# Altium PCB Traffic_Lignt_CU.PcbDoc (part 3 of 3)
Units mm, origin at the board's own origin, x right, y up, seen from the top; angles counter-clockwise.
Board outline 143.95 x 111.95 mm, 2 copper layers (Top Layer, Bottom Layer); 302 components, 196 nets, 839 pads, 465 vias.
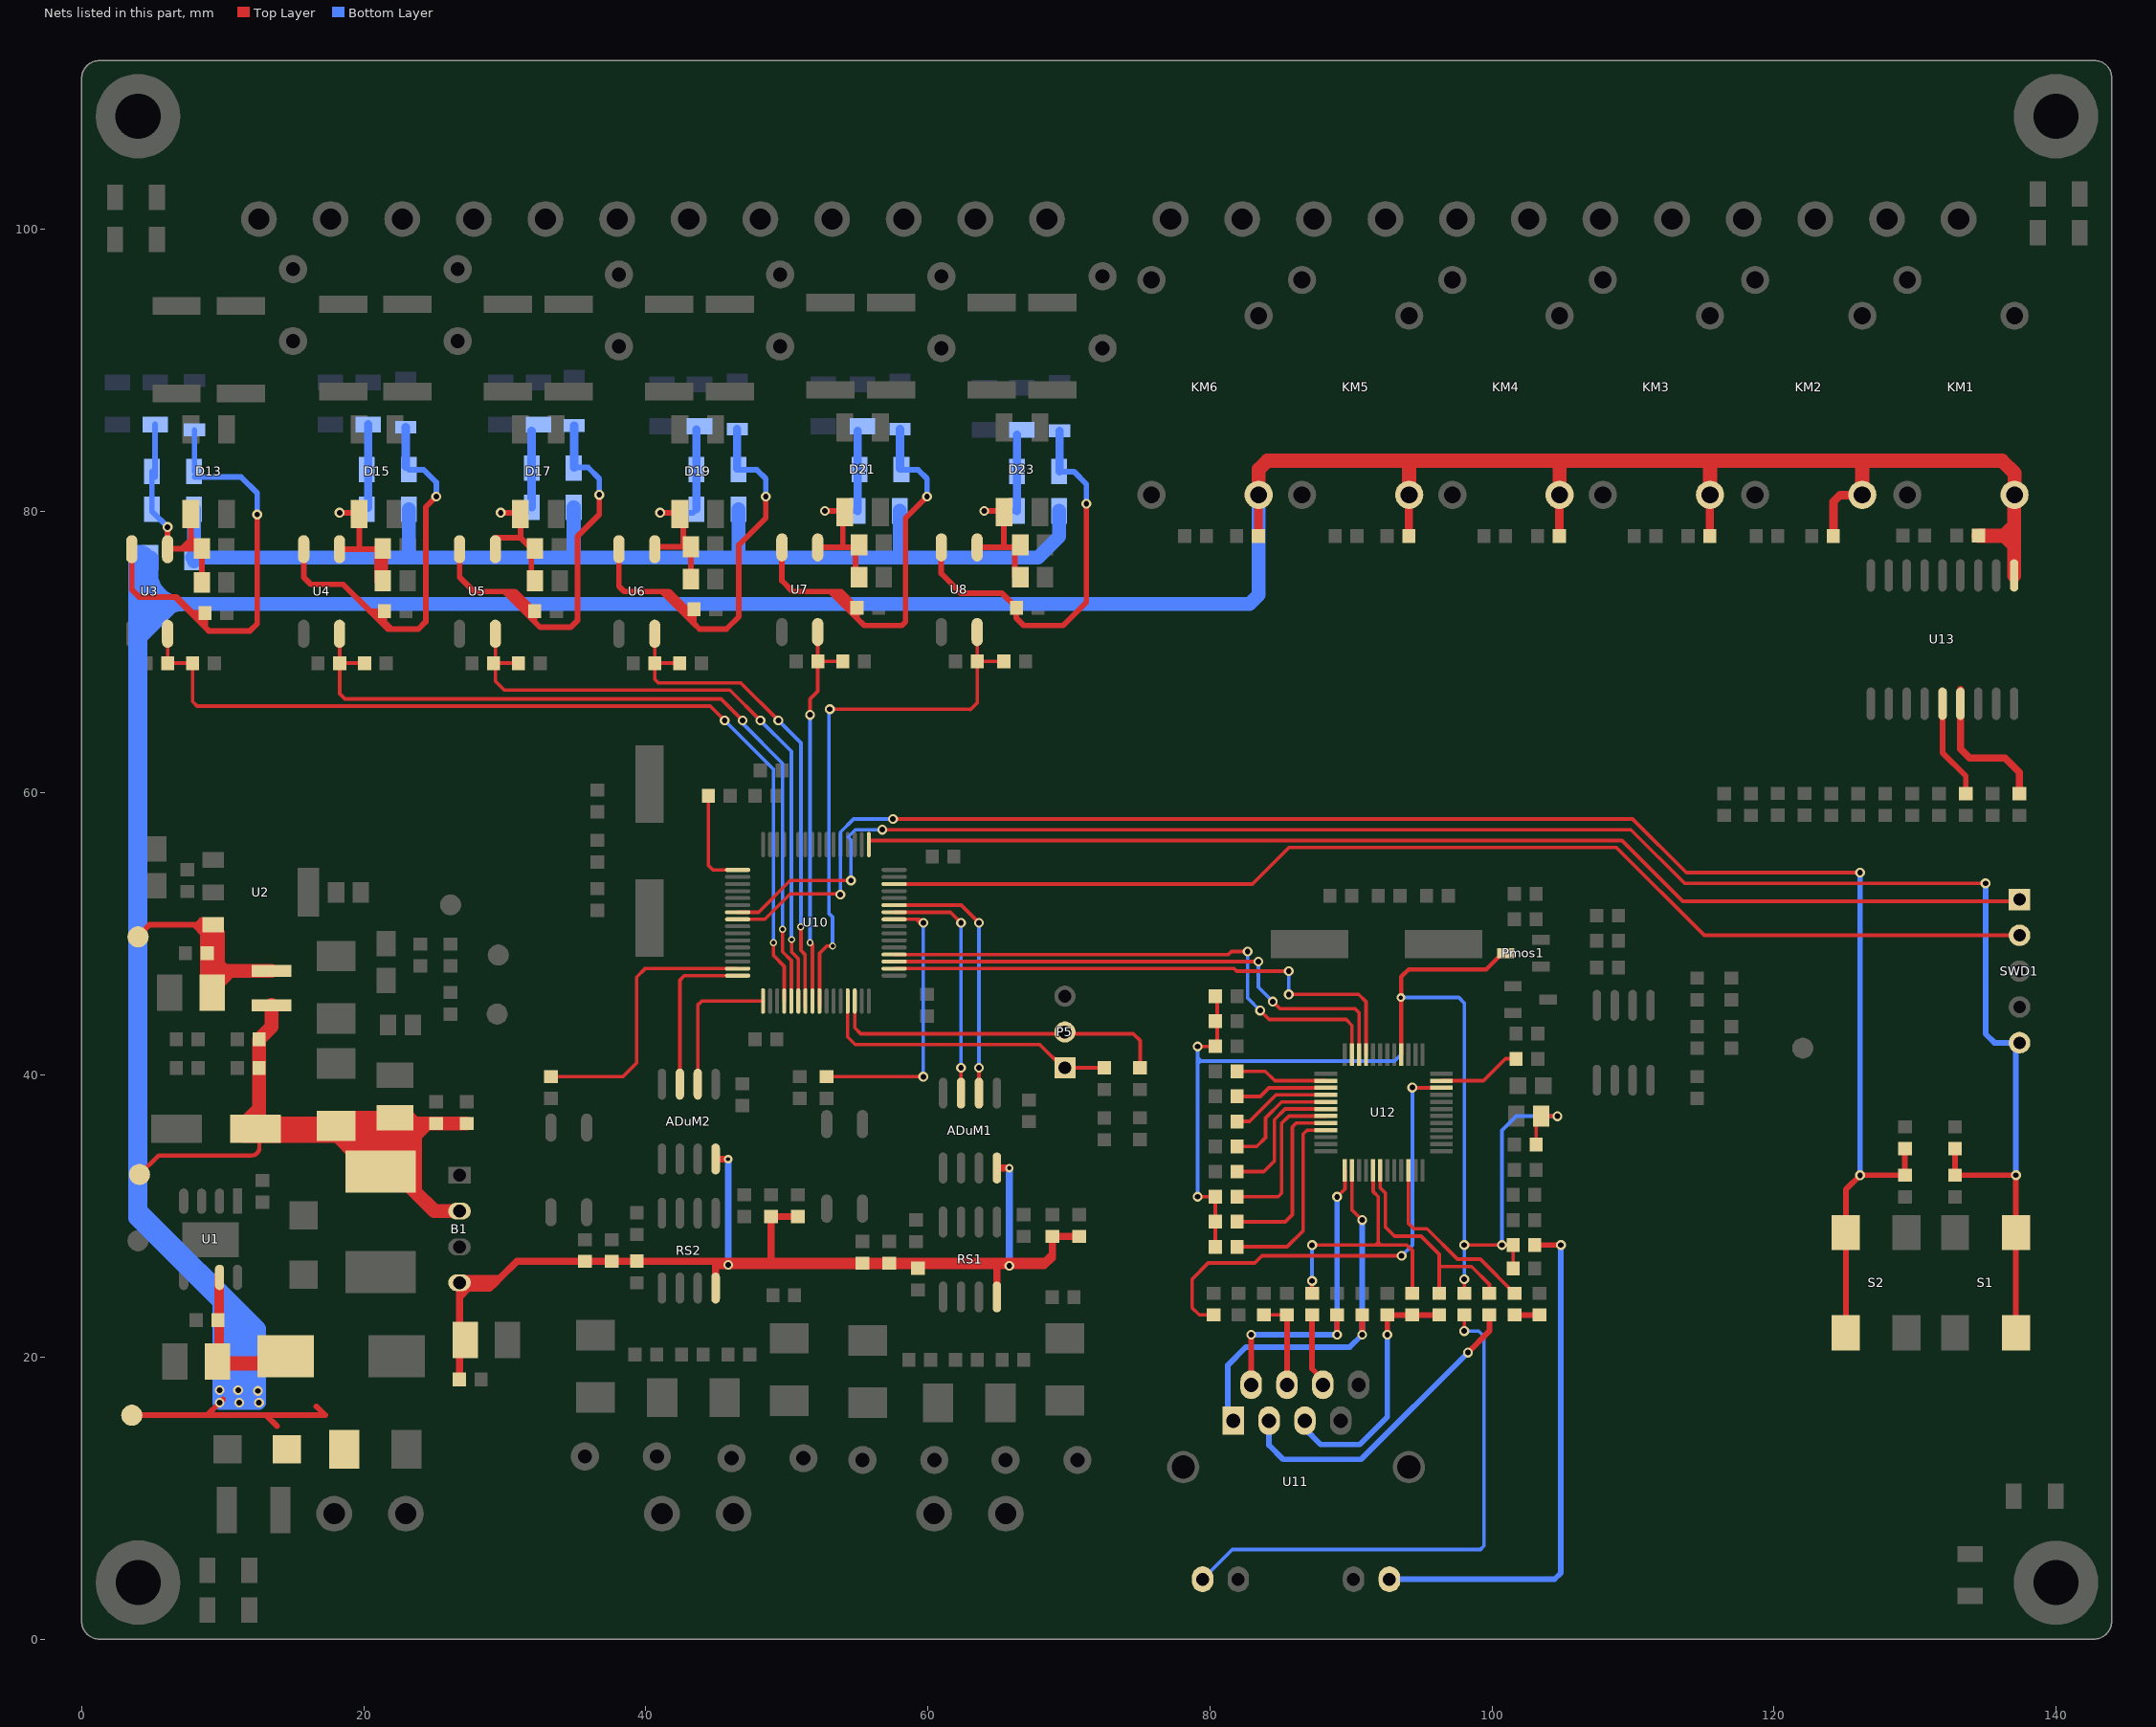
[diagram p3: the nets of this part, all layers, seen from the top]

## Via types
v1: diameter 0.7, hole 0.4, Top Layer to Bottom Layer, 172 vias
v2: diameter 0.6, hole 0.3, Top Layer to Bottom Layer, 164 vias
v3: diameter 0.5, hole 0.3, Top Layer to Bottom Layer, 78 vias
v4: diameter 0.8, hole 0.6, Top Layer to Bottom Layer, 32 vias
v5: diameter 0.8, hole 0.4, Top Layer to Bottom Layer, 10 vias
v6: diameter 0.9, hole 0.5, Top Layer to Bottom Layer, 4 vias
v7: diameter 1.5, hole 0.8, Top Layer to Bottom Layer, 2 vias
v8: diameter 1, hole 0.5, Top Layer to Bottom Layer, 2 vias
v9: diameter 1.2, hole 0.6, Top Layer to Bottom Layer, 1 vias

## Nets (pads, with @x,y where several pads share a name; then routed paths per layer and width w, separated by ;. In a path a pad name is that pad's centre, name@x,y a point inside that pad or via, vN(x,y) a via of type N, cw(c..) or ccw(c..) an arc to the next point about the centre after c; other vN are vias at no path point) (continued)
NetR76_1: R76.1 U13.5 | length 7.1
  Top Layer w0.4: U13.5@131.953,66.338 131.953,62.865 133.604,61.214 R76.1@133.604,59.96
NetR80_1: R80.1 U13.6 | length 10.6
  Top Layer w0.5: U13.6@133.223,67.354 133.223,63.141 133.88,62.484 136.398,62.484 137.414,61.468 R80.1@137.414,59.96
NetR84_2: R84.2 U10.1 | length 7.2
  Top Layer w0.254: R84.2@44.442,59.817 44.442,54.872 44.764,54.55 U10.1@46.52,54.55
NetR100_2: R100.2 U12.45 | length 13.8
  Top Layer w0.254: R100.2@81.923,27.821 85.479,27.821 86.614,28.956 86.614,35.814 86.896,36.096 U12.45@88.229,36.096
NetR101_2: R101.2 U12.44 | length 12.8
  Top Layer w0.254: R101.2@81.923,29.599 85.352,29.599 85.852,30.099 85.852,36.322 86.126,36.596 U12.44@88.229,36.596
NetR102_2: R102.2 U12.43 | length 11.6
  Top Layer w0.254: R102.2@81.923,31.377 84.844,31.377 85.09,31.623 85.09,36.576 85.61,37.096 U12.43@88.229,37.096
NetR103_2: R103.2 U12.42 | length 9.9
  Top Layer w0.254: R103.2@81.923,33.155 83.828,33.155 84.582,33.909 84.582,36.83 85.348,37.596 U12.42@88.229,37.596
NetR104_2: R104.2 U12.41 | length 8.4
  Top Layer w0.254: R104.2@81.923,34.933 83.32,34.933 83.947,35.56 83.947,36.957 85.086,38.096 U12.41@88.229,38.096
NetR105_2: R105.2 U12.40 | length 7.1
  Top Layer w0.254: R105.2@81.923,36.711 82.812,36.711 84.697,38.596 U12.40@88.229,38.596
NetR106_2: R106.2 U12.39 | length 6.6
  Top Layer w0.254: R106.2@81.923,38.489 83.574,38.489 84.181,39.096 U12.39@88.229,39.096
NetR107_2: R107.2 U12.38 | length 6.6
  Top Layer w0.254: R107.2@81.923,40.267 83.939,40.267 84.61,39.596 U12.38@88.229,39.596
NetR112_1: R112.1 U11.9 | length 38.5
  Top Layer w0.254: v1(98.044,21.844) R112.1@98.044,22.987
  Bottom Layer w0.254: U11.9@79.486,4.244 81.592,6.35 99.187,6.35 99.441,6.604 99.441,21.463 99.06,21.844 v1(98.044,21.844)
NetR113_1: R113.1 R114.2 | length 1.8
  Top Layer w0.4: R114.2@101.6,22.987 R113.1@103.378,22.987
NetR114_1: R114.1 U12.10 | length 13.3
  Top Layer w0.254: U12.10@94.079,33.246 94.079,29.492 94.471,29.1 95.4,29.1 97.55,26.95 99.177,26.95 R114.1@101.6,24.527
NetR115_1: R115.1 U11.12 | length 37.4
  Top Layer w0.4: R115.1@103.044,27.948 v1(104.894,27.948)
  Bottom Layer w0.4: U11.12@92.735,4.244 104.444,4.244 104.894,4.694 v1(104.894,27.948)
NetR119_1: R119.1 U12.23 | length 5.9
  Top Layer w0.254: U12.23@96.429,39.596 99.413,39.596 100.973,41.156 R119.1@101.719,41.156
NRST: C39.2 R89.1 S1.2 S1.3 SWD1.5 U10.7 | length 134.6
  Top Layer w0.254: U10.7@46.52,51.55 48,51.55 50.25,53.8 v1(54.55,53.8) ; v1(56.769,57.404) 109.855,57.404 113.665,53.594 v1(135.001,53.594)
  Top Layer w0.4: R89.1@132.842,34.79 C39.2@132.842,32.901 v1(137.16,32.901) S1.2@137.16,21.59
  Bottom Layer w0.254: v1(54.55,53.8) 54.55,56.69 54.35,56.89 54.864,57.404 v1(56.769,57.404)
  Bottom Layer w0.4: v1(135.001,53.594) 135.001,42.926 135.636,42.291 SWD1.5@137.414,42.291 ; v1(137.16,32.901) SWD1.5@137.16,42.037
PA1_RS485_2_RD: R14.1 U10.15 | length 20
  Top Layer w0.254: R14.1@33.274,39.886 38.386,39.886 39.35,40.85 39.35,46.95 39.95,47.55 U10.15@46.52,47.55
PA2_USART2_TX: ADuM2.3 U10.16 | length 11.6
  Top Layer w0.254: ADuM2.3@42.418,39.357 42.418,46.736 42.732,47.05 U10.16@46.52,47.05
PA3_USART2_RX: ADuM2.2 U10.17 | length 10.4
  Top Layer w0.254: ADuM2.2@43.688,39.357 43.688,44.958 43.98,45.25 U10.17@48.32,45.25
PA8_RS485_RD: R7.1 U10.41 | length 20.6
  Top Layer w0.254: R7.1@52.832,39.886 v1(59.682,39.886) ; U10.41@57.62,51.05 59.182,51.05 ; v1@59.563,50.669 59.182,51.05 ; v1(59.69,50.8) 59.44,51.05 59.182,51.05
  Bottom Layer w0.254: v1(59.682,39.886) 59.682,50.792 v1(59.69,50.8) v1@59.69,50.927
PA9_USART1_TX: ADuM1.3 U10.42 | length 17.1
  Top Layer w0.254: U10.42@57.62,51.55 61.607,51.55 v1(62.357,50.8) ; ADuM1.3@62.357,38.722 v1(62.357,40.513)
  Bottom Layer w0.254: v1(62.357,40.513) v1(62.357,50.8)
PA10_USART1_RX: ADuM1.2 U10.43 | length 18.6
  Top Layer w0.254: U10.43@57.62,52.05 62.377,52.05 v1(63.627,50.8) ; ADuM1.2@63.627,38.722 v1(63.627,40.513)
  Bottom Layer w0.254: v1(63.627,40.513) v1(63.627,50.8)
PB10_USART3_TX: D38.K P5.1 U10.29 | length 21.6
  Top Layer w0.254: U10.29@54.32,45.25 54.32,42.708 54.864,42.164 67.945,42.164 69.596,40.513 D38.K@72.517,40.513
PB11_USART3_RX: D37.K P5.2 U10.30 | length 24.4
  Top Layer w0.254: U10.30@54.82,45.25 54.82,43.351 55.245,42.926 74.574,42.926 75.057,42.443 D37.K@75.057,40.513
PB13_SPI2_SCK: U10.34 U12.33 | length 39.3
  Top Layer w0.254: U10.34@57.62,47.55 81.736,47.55 81.915,47.371 v1(85.598,47.371) ; v1(85.598,45.72) 90.551,45.72 91.079,45.192 U12.33@91.079,41.446
  Bottom Layer w0.254: v1(85.598,45.72) v1@85.598,47.498
PB14_SPI2_MISO: U10.35 U12.34 | length 38.5
  Top Layer w0.254: U10.35@57.62,48.05 v1(83.439,48.05) ; v1(84.455,45.212) 84.963,44.704 90.297,44.704 90.579,44.422 U12.34@90.579,41.446
  Bottom Layer w0.254: v1(83.439,48.05) 83.439,46.228 v1(84.455,45.212)
PB15_SPI2_MOSI: U10.36 U12.35 | length 38.7
  Top Layer w0.254: U10.36@57.62,48.55 81.316,48.55 81.534,48.768 v1(82.677,48.768) ; v1(83.566,44.577) 84.201,43.942 89.662,43.942 90.079,43.525 U12.35@90.079,41.446
  Bottom Layer w0.254: v1(82.677,48.768) 82.677,45.466 v1(83.566,44.577)
PC1_1: C12.1 C13.2 C14.2 D13.2 R19.1 R21.1 U3.1 | length 19.1
  Top Layer w0.4: U3.1@6.096,77.295 v1(6.096,78.867) ; U3.1@6.144,77.343 7.112,77.343 ; D13.2@7.747,79.804 7.747,78.119 ; C14.2@8.523,74.93 C13.2@8.523,77.343 ; 7.112,77.343 C13.2@8.523,77.343 ; 7.112,77.343 7.43,77.66 ; 7.43,77.66 7.747,77.978 7.747,78.119 ; 7.43,77.66 C13.2@8.206,77.66 ; 7.747,78.119 C13.2@8.206,77.66 ; C13.2@8.206,77.66 C13.2@8.523,77.343
  Bottom Layer w0.4: C12.1@4.987,82.804 R19.1@4.987,80.137 4.987,79.976 v1(6.096,78.867) ; C12.1@5.207,82.423 R21.1@5.207,86.14
PC1_2: C12.2 D14.1 R24.1 U3.2 | length 35
  Top Layer w0.4: U3.2@3.556,77.295 3.556,74.422 4.064,73.914 6.604,73.914 ; v1(12.446,79.756) 12.446,72.009 11.938,71.501 9.017,71.501 8.755,71.763 ; 6.604,73.914 6.731,73.914 7.874,72.771 7.993,72.771 ; 6.604,73.914 8.755,71.763 ; 7.993,72.771 R24.1@8.755,72.771 8.755,72.009 ; 7.993,72.771 8.755,72.009 ; 8.755,71.763 8.755,72.009
  Bottom Layer w0.4: C12.2@8.001,82.804 C12.2@8.001,83.213 ; D14.1@8.001,85.753 C12.2@8.001,83.213 ; C12.2@8.029,82.423 11.303,82.423 12.446,81.28 v1(12.446,79.756) ; C12.2@8.029,83.185 C12.2@8.001,83.213
PC2_1: C17.2 C18.2 C19.1 D15.2 R27.2 R28.1 U4.1 | length 17.9
  Top Layer w0.4: U4.1@18.288,77.295 19.685,77.295 D15.2@19.685,79.804 ; v1(18.288,79.883) D15.2@19.606,79.883 ; U4.1@18.35,77.295 C17.2@21.189,77.295
  Top Layer w1: C18.2@21.237,75.057 C17.2@21.237,77.343
  Bottom Layer w0.4: v1(18.288,79.883) R27.2@19.973,79.883
  Bottom Layer w0.6: R27.2@20.32,80.23 R28.1@20.32,86.14
PC2_2: C19.2 D16.1 R30.1 U4.2 | length 30.9
  Top Layer w0.4: U4.2@15.748,77.295 15.748,75.311 16.256,74.803 18.542,74.803 20.447,72.898 ; 20.835,72.778 20.835,72.898 ; R30.1@21.092,72.521 21.469,72.144 ; v1(25.146,81.026) 24.4,80.28 24.4,72.152 23.876,71.628 21.985,71.628 ; 20.447,72.898 21.717,71.628 21.985,71.628 ; 20.447,72.898 20.835,72.898 ; 20.835,72.898 R30.1@21.469,72.898 21.469,72.144 ; 21.469,72.144 21.985,71.628
  Bottom Layer w0.4: C19.2@23.207,82.931 24.257,82.931 25.146,82.042 v1(25.146,81.026) v1@25.112,81.026
  Bottom Layer w0.6: C19.2@22.987,83.151 D16.1@22.987,85.941
PC3_1: C20.2 C21.2 C23.1 D17.2 R34.2 R35.1 U5.1 | length 16.2
  Top Layer w0.4: U5.1@29.337,77.295 29.337,78.119 31.115,78.119 ; v1(29.718,79.883) D17.2@31.036,79.883 ; D17.2@31.115,79.804 31.115,78.119 ; C20.2@31.891,75.057 31.891,77.343 31.115,78.119
  Bottom Layer w0.4: v1(29.718,79.883) R34.2@31.53,79.883
  Bottom Layer w0.6: R34.2@31.911,80.264 R35.1@31.911,85.666
PC3_2: C23.2 D18.1 R37.1 U5.2 | length 33.7
  Top Layer w0.4: U5.2@26.797,77.295 26.797,75.311 27.813,74.295 29.972,74.295 ; v1@36.703,81.026 36.703,79.756 35.15,78.203 35.15,72.234 34.671,71.755 32.512,71.755 32.123,72.144 ; 29.972,74.295 32.123,72.144 ; 29.972,74.295 30.353,74.295 ; 30.353,74.295 R37.1@32.123,72.525 ; 30.353,74.295 30.726,74.295 R37.1@32.123,72.898 R37.1@32.123,72.525 ; 32.123,72.144 R37.1@32.123,72.525
  Bottom Layer w0.4: C23.2@34.925,83.092 35.907,83.092 36.703,82.296 v1(36.703,81.153)
  Bottom Layer w0.6: C23.2@34.925,83.092 D18.1@34.925,86.068
PC4_1: C24.2 C25.2 C27.1 D19.2 R41.2 R42.1 U6.1 | length 16.4
  Top Layer w0.4: U6.1@40.64,77.295 40.815,77.47 C24.2@42.672,77.47 ; v1(41.021,79.883) D19.2@42.339,79.883 ; D19.2@42.672,79.677 C24.2@42.672,77.47 ; C25.2@43.194,75.184 C24.2@43.194,77.47 C24.2@42.672,77.47
  Bottom Layer w0.4: v1(41.021,79.883) R41.2@43.341,79.883
  Bottom Layer w0.6: R41.2@43.595,80.137 R42.1@43.595,85.793
PC4_2: C27.2 D20.1 R44.1 U6.2 | length 32.3
  Top Layer w0.4: U6.2@38.1,77.295 38.1,74.676 38.481,74.295 41.148,74.295 ; R44.1@43.426,73.025 43.426,72.525 ; v1(48.514,81.026) 48.514,79.502 46.609,77.597 46.609,72.517 45.72,71.628 43.815,71.628 43.426,72.017 ; 41.148,74.295 43.426,72.017 ; 41.148,74.295 41.656,74.295 43.426,72.525 ; 43.426,72.017 43.426,72.517 43.426,72.525
  Bottom Layer w0.4: C27.2@46.575,82.931 47.879,82.931 48.514,82.296 v1(48.514,81.026)
  Bottom Layer w0.6: C27.2@46.482,83.024 D20.1@46.482,85.814
PC5_1: C28.1 C29.2 C30.2 D21.2 R47.1 R49.1 U7.1 | length 16.2
  Top Layer w0.4: U7.1@52.197,77.422 53.975,77.422 ; v1(52.705,80.01) D21.2@53.769,80.01 ; D21.2@53.975,79.804 53.975,77.422 ; C29.2@54.703,77.422 53.975,77.422 ; C30.2@54.878,75.311 C29.2@54.878,77.597
  Bottom Layer w0.4: v1(52.705,80.01) R47.1@55.025,80.01
  Bottom Layer w0.6: R47.1@55.025,80.01 R49.1@55.025,85.666
PC5_2: C28.2 D22.1 R52.1 U7.2 | length 33.3
  Top Layer w0.4: U7.2@49.657,77.422 49.657,75.057 50.419,74.295 53.086,74.295 ; v1(59.944,81.026) 58.42,79.502 58.42,72.136 58.166,71.882 55.499,71.882 54.983,72.398 ; 53.086,74.295 54.983,72.398 ; 53.086,74.295 53.594,74.295 ; 53.594,74.295 R52.1@54.983,72.906 ; 53.594,74.295 53.84,74.295 R52.1@54.983,73.152 R52.1@54.983,72.906 ; 54.983,72.398 R52.1@54.983,72.906
  Bottom Layer w0.4: C28.2@58.132,82.931 59.309,82.931 59.944,82.296 v1(59.944,81.026)
  Bottom Layer w0.6: C28.2@58.039,83.024 D22.1@58.039,85.814
PC6_1: C33.2 C34.2 C35.1 D23.2 R55.2 R56.1 U8.1 | length 16.3
  Top Layer w0.4: U8.1@63.5,77.422 65.405,77.422 ; v1(64.008,80.01) D23.2@65.326,80.01 ; D23.2@65.405,79.931 65.405,77.422 ; 65.979,77.422 65.405,77.422 ; C34.2@66.173,75.319 C33.2@66.173,77.616
  Bottom Layer w0.4: v1(64.008,80.01) R55.2@66.328,80.01
  Bottom Layer w0.6: R55.2@66.328,80.01 R56.1@66.328,85.412
PC6_2: C35.2 D24.1 R58.1 U8.2 | length 28.3
  Top Layer w0.4: U8.2@60.96,77.422 60.96,75.565 62.357,74.168 65.27,74.168 R58.1@66.286,73.152 66.286,72.398 66.802,71.882 69.596,71.882 71.247,73.533 v1(71.247,80.518)
  Bottom Layer w0.4: C35.2@69.308,82.804 70.358,82.804 71.247,81.915 v1(71.247,80.518)
  Bottom Layer w0.6: C35.2@69.342,82.838 D24.1@69.342,85.687
PUTIN_12V: C2.2 D1.2 D10.2 E1.1 E8.1 F8.1 KM1.1 KM2.1 KM3.1 KM4.1 KM5.1 KM6.1 R61.1 R65.1 R69.1 R73.1 R77.1 R81.1 U1.7 U13.10 VIN1.1 | length 375.7
  Top Layer w0.4: VIN1.1@3.556,15.875 8.89,15.875 ; 10.033,17.018 v1(9.779,16.764) 8.89,15.875 ; 13.843,15.113 13.081,15.875 ; 16.637,16.51 17.272,15.875 13.081,15.875 ; 8.89,15.875 13.081,15.875
  Top Layer w0.6: R81.1@83.447,78.232 KM6.1@83.447,81.136 ; R77.1@94.115,78.232 KM5.1@94.115,81.136 ; R73.1@104.783,78.232 KM4.1@104.783,81.136 ; R69.1@115.451,78.232 KM3.1@115.451,81.136 ; R65.1@124.214,78.232 124.214,80.653 124.697,81.136 KM2.1@126.246,81.136
  Top Layer w0.7: E8.1@9.755,19.558 U1.7@9.755,25.781
  Top Layer w1: E8.1@9.755,19.558 E1.1@14.859,19.558 ; KM6.1@83.464,81.153 83.464,82.956 84.074,83.566 136.184,83.566 137.058,82.692 KM1.1@137.058,81.153 137.041,81.136 137.041,78.966 ; KM5.1@94.132,81.153 94.132,83.541 ; KM4.1@104.8,81.153 104.8,83.464 ; KM3.1@115.468,81.153 115.468,83.337 ; KM2.1@126.263,81.153 126.263,83.337 ; R61.1@134.501,78.254 136.329,78.254 ; U13.10@137.033,75.438 137.033,77.55 ; 137.041,78.232 137.041,78.966 ; 137.041,79.15 137.041,78.966 ; 136.329,78.254 137.033,77.55 ; 136.329,78.254 137.033,78.254 137.033,77.55 ; 136.329,78.254 137.041,78.966
  Bottom Layer w1: 5.588,72.771 5.712,72.895 ; 10.731,16.954 10.731,22.924 ; 11.684,17.272 11.684,21.971 ; KM6.1@83.464,81.153 83.464,74.064 82.806,73.406 7.24,73.406 ; 3.8,70.65 3.8,76.75 cw(c4.15,76.75) 4.15,77.1 cw(c4.15,76.6) 4.65,76.6 4.15,76.1 4.15,71 ; 3.8,70.65 3.8,29.855 9.779,23.876 ; 3.8,70.65 4.15,71 ; 4.15,71 4.15,30.45 12.573,22.027 12.573,21.082 ; 4.15,71 6.42,73.27 ; 4.7,73.339 4.7,76.548 cw(c4.86,76.548) F8.1@4.86,76.708 ; 4.7,73.339 4.7,71.883 cw(c6.223,71.883) 6.223,73.406 ; 4.7,73.339 4.86,73.499 4.86,74.769 ; 4.86,74.769 6.223,73.406 ; 4.86,74.769 4.86,75.786 ; 4.86,75.786 ccw(c7.24,75.786) 4.939,75.178 ; 4.86,75.786 F8.1@4.86,76.708 ; F8.1@4.86,76.708 cw(c4.86,76.629) 4.939,76.629 4.939,75.178 ; 4.939,75.178 ccw(c7.24,75.786) 7.24,73.406 ; 5.712,72.895 cw(c7.24,70.866) 6.42,73.27 ; 5.712,72.895 6.223,73.406 ; 6.223,73.406 6.556,73.406 ; 6.42,73.27 cw(c7.24,70.866) 7.24,73.406 ; 6.42,73.27 6.556,73.406 ; 6.556,73.406 7.24,73.406 ; 9.779,23.876 v1(9.779,16.764) v1(11.176,16.764) v1(12.573,16.764) 12.573,21.082 ; 9.779,23.876 10.731,22.924 ; 10.731,22.924 11.684,21.971 ; 11.684,21.971 12.573,21.082
  other v1: 12.5,17.6 9.779,17.65 11.1,17.65
RCT: C56.2 R120.2 R121.2 U11.5 | length 18.6
  Top Layer w0.4: v1(92.583,21.59) C56.2@92.583,22.987 R121.2@94.361,22.987 R120.2@96.266,22.987
  Bottom Layer w0.4: U11.5@86.741,15.494 86.741,14.909 87.85,13.8 90.635,13.8 92.583,15.748 v1(92.583,21.59)
RXN: C57.1 R121.1 U12.5 | length 19.8
  Top Layer w0.254: C57.1@87.249,24.527 v1(87.249,25.4) ; v1(87.249,27.94) 91.738,27.94 ; U12.5@91.579,33.246 91.579,31.738 91.948,31.369 91.948,28.15 ; R121.1@94.361,24.527 94.361,27.559 93.98,27.94 92.15,27.94 ; 91.738,27.94 91.948,27.94 ; 91.738,27.94 91.948,28.15 ; 91.948,27.94 92.15,27.94 ; 91.948,27.94 91.948,28.142 ; 91.948,28.142 92.15,27.94 ; 91.948,28.142 91.948,28.15
  Bottom Layer w0.254: v1(87.249,25.4) v1(87.249,27.94)
RXNNET: C57.2 U11.6 | length 5.3
  Top Layer w0.4: C57.2@87.249,22.987 87.249,19.177 88.011,18.415 U11.6@88.011,18.034
RXP: C52.1 R120.1 U12.6 | length 16.1
  Top Layer w0.254: U12.6@92.079,33.246 92.079,32 92.456,31.623 92.456,29.21 93.091,28.575 94.975,28.575 96.266,27.284 R120.1@96.266,24.527 ; 96.393,26.416 98.552,26.416 99.822,25.146 C52.1@99.822,24.527
RXPNET: C52.2 U11.3 | length 22.7
  Top Layer w0.4: v1(98.298,20.32) 99.822,21.844 C52.2@99.822,22.987
  Bottom Layer w0.4: U11.3@84.201,15.494 84.201,13.749 85.2,12.75 90.728,12.75 v1(98.298,20.32)
S1: C40.2 R92.1 S2.1 S2.4 U10.8 | length 124
  Top Layer w0.254: U10.8@46.52,51.05 48.45,51.05 50.25,52.85 v1@53.594,52.85 ; v1(57.531,58.166) 109.982,58.166 113.792,54.356 v1(126.111,54.356)
  Top Layer w0.4: S2.1@125.095,22.225 125.095,31.877 126.119,32.901 C40.2@129.286,32.901 R92.1@129.286,34.79
  Bottom Layer w0.254: v1@53.8,52.95 53.8,57.229 54.737,58.166 v1(57.531,58.166)
  Bottom Layer w0.4: v1(126.111,32.893) v1(126.111,54.356)
  other v1: 53.8,52.8
STM_SWC: SWD1.1 U10.49 | length 83.8
  Top Layer w0.254: U10.49@55.82,56.35 55.82,56.642 109.22,56.642 113.538,52.324 SWD1.1@137.541,52.324
STM_SWD: SWD1.2 U10.46 | length 83.4
  Top Layer w0.254: U10.46@57.62,53.55 83.014,53.55 85.598,56.134 108.839,56.134 115.062,49.911 SWD1.2@137.414,49.911
SW_DI1: C15.1 R20.1 U3.4 U10.20 | length 66.5
  Top Layer w0.254: U3.4@6.096,71.295 6.104,71.287 C15.1@6.104,69.215 R20.1@7.866,69.215 7.866,66.484 8.183,66.167 44.577,66.167 v1(45.593,65.151) ; v3(49.05,49.4) 49.05,48.486 49.82,47.716 U10.20@49.82,45.25
  Bottom Layer w0.254: v1(45.593,65.151) 49.05,61.694 v3(49.05,49.4)
SW_DI2: C16.1 R26.1 U4.4 U10.21 | length 57.1
  Top Layer w0.254: U4.4@18.296,71.287 C16.1@18.296,69.215 ; R26.1@20.058,69.215 C16.1@18.296,69.215 ; v1(46.863,65.151) 45.339,66.675 18.675,66.675 18.296,67.054 C16.1@18.296,69.215 ; v3(49.7,50.35) 49.7,48.744 50.324,48.12 U10.21@50.324,44.852
  Bottom Layer w0.254: v1(46.863,65.151) 46.863,64.937 49.7,62.1 v3(49.7,50.35)
SW_DI3: C22.1 R33.1 U5.4 U10.22 | length 46.5
  Top Layer w0.254: U5.4@29.337,71.295 29.337,67.945 29.972,67.31 45.974,67.31 v1(48.133,65.151) ; C22.1@29.345,69.215 R33.1@31.107,69.215 ; v3(50.35,49.611) 50.35,48.736 50.778,48.308 50.778,48.282 50.824,48.236 U10.22@50.824,44.852
  Bottom Layer w0.254: v1(48.133,65.151) 50.323,62.961 50.323,49.638 v3(50.35,49.611)
SW_DI4: C26.1 R40.1 U6.4 U10.23 | length 36.1
  Top Layer w0.254: U6.4@40.64,71.295 C26.1@40.64,69.215 ; R40.1@42.41,69.215 C26.1@40.648,69.215 C26.1@40.64,69.215 ; v1(49.403,65.151) 46.736,67.818 40.894,67.818 40.64,68.072 C26.1@40.64,69.215 ; v3(51,50.5) 51,48.85 51.287,48.563 51.287,44.889 U10.23@51.324,44.852
  Bottom Layer w0.254: v1(49.403,65.151) 51,63.554 v3(51,50.5)
SW_DI5: C31.1 R48.1 U7.4 U10.24 | length 28.4
  Top Layer w0.254: v3(51.65,49.4) 51.82,49.23 U10.24@51.82,45.25 ; v1(51.65,65.55) 51.65,66.668 52.197,67.215 C31.1@52.197,69.342 ; U10.24@51.8,44.876 U10.24@51.824,44.852 ; U7.4@52.197,71.422 C31.1@52.197,69.342 ; R48.1@53.967,69.342 C31.1@52.205,69.342 C31.1@52.197,69.342
  Bottom Layer w0.254: v3(51.65,49.4) 51.65,65.352 v1@51.8,65.502 ; v1(51.65,65.55) v1@51.65,65.652
SW_DI6: C32.1 R54.1 U8.4 U10.25 | length 39.4
  Top Layer w0.254: U10.25@52.324,44.852 52.324,48.642 52.832,49.15 v3(53.25,49.15) ; v1(53.05,65.95) 62.971,65.95 63.008,65.913 63.508,66.413 C32.1@63.508,69.342 ; U8.4@63.508,71.414 C32.1@63.508,69.342 ; R54.1@65.397,69.342 C32.1@63.508,69.342
  Bottom Layer w0.254: v1(53.05,65.95) 53,65.9 53,51.45 53.25,51.2 v3(53.25,49.15)
TCT: C51.1 R118.2 U11.4 | length 6.6
  Top Layer w0.254: C51.1@83.82,22.987 R118.2@85.471,22.987
  Top Layer w0.4: U11.4@85.471,18.034 R118.2@85.471,22.987
TXN: R117.2 U11.2 U12.1 | length 22.7
  Top Layer w0.254: v1(89.027,31.369) 89.579,31.921 U12.1@89.579,33.246
  Top Layer w0.4: U11.2@82.931,18.288 v1(82.931,21.59) ; v1(89.027,21.59) R117.2@89.027,22.987
  Bottom Layer w0.4: v1(82.931,21.59) v1(89.027,21.59) v1(89.027,31.369)
TXP: R116.2 U11.1 U12.2 | length 27.9
  Top Layer w0.254: U12.2@90.079,33.246 90.079,30.444 v1(90.805,29.718)
  Top Layer w0.4: v1(90.805,21.59) R116.2@90.805,22.987
  Bottom Layer w0.4: U11.1@81.661,15.494 81.28,15.875 81.28,19.431 82.55,20.701 89.916,20.701 v1(90.805,21.59) v1(90.805,29.718)
VCC3.3: C46.2 L5.1 Pmos1.3 R97.2 R100.1 R101.1 R102.1 R108.1 R109.1 R110.1 R112.2 R115.2 U12.28 | length 99.4
  Top Layer w0.254: v1(79.129,31.377) R102.1@80.383,31.377 R101.1@80.383,29.599 R100.1@80.383,27.821 ; v1(79.129,42.029) R108.1@80.367,42.029 ; R108.1@80.383,42.045 80.518,42.18 R110.1@80.518,45.601 ; R112.2@98.044,24.527 v1(98.044,25.527) ; v1(98.044,27.948) v1(100.711,27.948) R115.2@101.504,27.948 C46.2@101.504,26.297 ; R97.2@103.132,35.06 103.132,36.733 103.483,37.084 v1(104.648,37.084)
  Top Layer w0.3: U12.28@93.579,41.446 93.579,46.979 94.098,47.498 99.598,47.498 100.749,48.649 Pmos1.3@100.985,48.649
  Bottom Layer w0.254: v1(79.129,31.377) 79.129,40.8 ; v1(79.129,42.029) 79.129,41.25 ; v1(98.044,25.527) v1(98.044,27.948) 98.044,45.106 97.65,45.5 v2(93.55,45.5) 93.55,41.45 93.1,41 79.35,41 ; v1(100.711,27.948) 100.711,36.068 101.727,37.084 v1(104.648,37.084) ; 79.129,40.8 79.129,41 ; 79.129,40.8 79.15,40.8 79.35,41 ; 79.129,41 79.35,41 ; 79.129,41 79.129,41.25 ; 79.129,41.25 79.35,41.029 79.35,41
VCC5V: C7.2 E7.1 L3.2 U2.3 VCC1.1 | length 27.3
  Top Layer w0.4: VCC1.1@3.786,50.014 4.164,50.014 4.809,50.659 7.95,50.659 ; 8.5,51 8.159,50.659 ; 8.8,49.9 8.709,49.9 7.95,50.659 ; U2.3@9.325,50.659 9.109,50.659 8.159,50.659 ; 7.95,50.659 8.159,50.659
  Top Layer w0.6: E7.1@9.247,45.847 10.404,47.004 10.404,47.396 ; 9.75,49.9 9.325,49.9 U2.3@9.325,50.659 9.85,50.134 9.85,47.95 10.404,47.396 ; 10.45,47.396 10.404,47.396
  Top Layer w0.8: C7.2@8.898,48.641 8.8,48.739 8.8,49.9 8.8,50.35 U2.3@9.109,50.659
  Top Layer w1: E7.1@9.247,45.847 8.898,46.196 8.898,47.244 ; 9.325,49.9 C7.2@9.325,49.068 ; 10.404,47.396 9.05,47.396 ; 10.45,47.396 L3.2@13.462,47.396 ; 8.898,47.244 C7.2@8.898,48.641 C7.2@9.325,49.068 ; 8.898,47.244 9.05,47.396 ; 9.05,47.396 9.325,47.671 C7.2@9.325,49.068
VCC_1.2V: C55.1 U12.22 | length 33.6
  Top Layer w0.254: C55.1@80.264,22.987 79.248,22.987 78.74,23.495 78.74,25.527 79.883,26.67 83.185,26.67 83.693,27.178 v1(93.599,27.178) ; v1@94.381,39.096 U12.22@96.429,39.096
  Bottom Layer w0.254: v1(93.599,27.178) 94.361,27.94 v1(94.361,39.116)
VCCIN5V: B1.2 C3.1 C6.2 D4.2 E2.1 E3.1 L1.2 L3.1 R1.2 R128.1 VCCIN1.1 | length 88.7
  Top Layer w0.3: VCCIN1.1@4.1,32.95 5.45,34.3 12.05,34.3 ccw(c12.05,34.85) 12.6,34.85 12.6,35.433 12.6,36.438 ccw(c12.581,36.438) E2.1@12.581,36.457 ; E2.1@12.319,36.195 12.319,37.338 12.319,38.227
  Top Layer w0.5: E2.1@11.43,35.433 12.6,35.433 18.034,35.433 18.415,35.052 ; L1.2@21.209,33.147 20.32,33.147 18.796,34.671 ; 23.495,34.671 18.796,34.671 ; 23.495,35.052 18.415,35.052 ; 18.415,35.052 18.796,34.671
  Top Layer w1: E2.1@12.827,35.687 23.622,35.687 ; L3.1@13.462,44.958 13.462,43.426 R128.1@12.581,42.545 R1.2@12.581,40.513 12.581,37.6 ; D4.2@18.034,36.398 D4.2@18.204,36.568 ; L1.2@22.225,33.147 L1.2@23.622,31.75 ; 24.65,36.568 24.503,36.568 ; B1.2@26.797,30.353 25.019,30.353 L1.2@23.622,31.75 ; C6.2@27.305,36.568 C3.1@25.146,36.568 24.503,36.568 ; E2.1@12.581,36.457 12.692,36.568 D4.2@18.204,36.568 ; E2.1@12.581,36.457 12.581,37.6 ; E2.1@12.581,36.457 E2.1@12.319,36.195 11.705,36.195 11.705,36.724 12.319,37.338 12.581,37.6 ; D4.2@18.204,36.568 18.617,36.981 E3.1@22.225,36.981 23.209,36.981 23.622,36.568 ; D4.2@18.204,36.568 23.622,36.568 ; L1.2@23.622,31.75 23.622,35.687 ; 23.622,35.687 23.622,36.568 ; 23.622,35.687 24.503,36.568 ; 23.622,36.568 24.503,36.568
VCCISO: ADuM1.8 ADuM2.8 B1.4 C8.2 C10.2 C58.1 E9.1 R4.1 R5.2 R6.1 R10.2 R11.2 R12.1 R13.1 R17.2 RS1.8 RS2.8 | length 108.4
  Top Layer w0.5: C58.1@26.789,18.415 26.789,24.257 ; B1.4@26.789,25.265 26.789,24.257 ; B1.4@26.797,25.273 29.337,25.273 ; B1.4@27.114,25.59 29.654,25.59 ; RS2.8@44.958,24.897 44.958,26.475 ; ADuM2.8@44.971,34.036 v2(45.847,34.036) ; C10.2@50.8,29.964 R11.2@48.895,29.964 48.895,26.797 ; RS1.8@64.897,24.27 64.897,26.475 ; ADuM1.8@64.91,33.401 v2(65.786,33.401) ; R5.2@68.826,28.567 68.826,27.305 ; R5.2@68.834,28.567 C8.2@70.739,28.567 ; 26.789,24.257 27.424,24.892 28.956,24.892 29.337,25.273 ; 29.337,25.273 29.654,25.59 ; 29.654,25.59 30.861,26.797 37.592,26.797 44.958,26.797 ; 44.958,26.475 44.958,26.797 ; 44.958,26.475 48.895,26.475 ; 44.958,26.797 48.895,26.797 ; 48.895,26.475 48.895,26.797 ; 48.895,26.475 57.277,26.475 64.897,26.475 ; 48.895,26.797 59.309,26.797 68.318,26.797 68.826,27.305 ; 64.897,26.475 v1(65.786,26.475) 68.258,26.475 68.826,27.043 68.826,27.305
  Bottom Layer w0.5: v1(45.847,26.543) v2(45.847,34.036) ; v1(65.786,26.475) v2(65.786,33.401)
VIO: F8.2 R19.2 R27.1 R34.1 R41.1 R47.2 R55.1 | length 81.1
  Bottom Layer w1: F8.2@7.84,76.708 F8.2@7.967,76.708 ; F8.2@7.967,76.454 F8.2@7.967,76.708 ; R19.2@7.967,80.137 F8.2@7.967,76.708 ; 23.207,76.801 R27.1@23.207,80.137 ; 34.891,76.742 R34.1@34.891,80.264 ; 46.575,76.742 R41.1@46.575,80.137 ; 58.005,76.742 R47.2@58.005,80.01 ; R55.1@69.308,80.01 69.308,78.198 67.818,76.708 F8.2@7.967,76.708
pads on no net: U1.2 U1.3 U1.5 U10.2 U10.3 U10.4 U10.9 U10.10 U10.11 U10.14 U10.26 U10.27 U10.40 U10.50 U10.51 U10.61 U10.62 U11.7 U11.8 U12.7 U12.12 U12.13 U12.18 U12.24 U12.26 U12.46 U12.47 U13.7 U13.8 U13.11 U13.12

## Polygon pours and split planes (outlines as drawn)
GNDISO on Top Layer "Bottom Layer-No Net" (solid, pour order 44): 27.9,3.35 14.644,3.35 cw(c14.644,4.311) 13.683,4.311 13.683,5.567 ccw(c12.525,5.842) 12.8,7 11.025,7 ccw(c11.112,6.338) 10.45,6.25 10.45,3.05 10.45,0.6 ccw(c11.037,0.587) 11.025,0 27.45,0 ccw(c27.375,0.525) 27.9,0.6
GNDIN on Top Layer "Bottom Layer-No Net" (solid, pour order 42): 9.55,7.3 12.95,7.3 cw(c12.95,6.6) 13.65,6.6 13.65,4.65 ccw(c14.95,4.65) 14.95,3.35 24.05,3.35 ccw(c24.05,4.6) 25.3,4.6 25.3,8.563
GND on Top Layer "Top Layer-No Net 1" (solid, remove dead copper, pour order 18): 8.95,58.3 3.2,58.3 cw(c3.2,59) 2.5,59 2.5,71.95 cw(c3.8,71.95) 3.8,73.25 6.403,73.25 cw(c6.403,72.104) 7.549,72.104 ccw(c8.653,72.104) 8.653,71 10.2,71 11.95,71 ccw(c11.95,71.6) 12.55,71.6 12.55,72.9 cw(c14.075,72.9) 14.075,74.425 18.75,74.425 cw(c18.749,73.399) 19.775,73.4 21.6,71.4 24.196,71.4 24.45,71.4 24.7,73.25 25.15,74.2 29.55,74.2 30.726,74.2 32.935,71.95 33.55,71.75 34.671,71.75 35.2,72.1 35.45,73.4 35.95,74.2 41.243,74.2 41.5,74.2 44.1,71.95 44.279,71.4 46.7,71.4 46.925,72.325 47.35,73.25 47.9,74.2 53.15,74.2 53.569,73.7 55.75,71.6 58.3,71.6 58.65,71.95 58.75,72.05 58.75,73.7 59.4,74.2 61.75,74.2 64.5,74.2 65.35,73.95 66.791,72.843 70.742,68.892 143.85,68.892 ccw(c144.67,68.55) 143.85,68.209 143.85,12.497 143.85,9.609 cw(c142.872,9.479) 143,8.5 137.6,8.5 ccw(c137.474,6.827) 135.8,6.95 135.8,0 cw(c135.701,-0.001) 135.7,-0.1 118.5,-0.1 75.847,-0.11 cw(c75.832,-0.068) 75.8,-0.1 cw(c76.364,0.714) 75.389,0.885 75.389,10.65 ccw(c75.389,11.361) 76.1,11.361 76.1,34.05 ccw(c75.5,34.05) 75.5,34.65 70.235,34.65 cw(c70.235,35.285) 69.599,35.286 ccw(c68.935,35.286) 68.935,35.95 62.2,35.95 59.646,35.95 ccw(c59.645,35.286) 58.981,35.286 cw(c57.696,35.286) 57.696,34 56.55,34 cw(c56.4,34) 56.4,33.85 54.3,33.85 47.25,33.85 cw(c47.25,34.85) 46.25,34.85 ccw(c45.25,34.85) 45.25,35.85 39.35,35.85 ccw(c39.349,35.035) 38.534,35.034 38.534,34.75 cw(c37.484,34.75) 37.484,33.7 29.3,33.7 cw(c29.3,33.95) 29.05,33.95 29.05,41.073 ccw(c27.923,41.073) 27.923,42.2 23.031,42.2 cw(c23.03,42.68) 22.55,42.681 22.55,43.4 22.55,44.1 ccw(c21.9,44.1) 21.9,44.75 20.35,44.75 cw(c20.35,45.25) 19.85,45.25 19.85,47.1 ccw(c19.1,47.1) 19.1,47.85 cw(c19.1,48.2) 18.75,48.2 18.75,54.75 18.75,57.55 ccw(c18,57.55) 18,58.3 7.6,58.3
GNDISO on Top Layer "Top Layer-No Net 1" (solid, remove dead copper, pour order 10): 25.35,25.3 25.35,27.8 cw(c26.5,27.8) 26.5,28.95 28.56,28.95 ccw(c28.56,31.49) 31.1,31.49 31.1,33.95 cw(c31.85,33.95) 31.85,34.7 33.65,34.7 38.2,34.7 ccw(c38.2,35.85) 39.35,35.85 cw(c40.25,35.85) 40.25,36.75 49.1,36.75 cw(c49.1,35.65) 50.2,35.65 50.2,34.95 ccw(c51,34.95) 51,34.15 52.7,34.15 57.45,34.15 ccw(c57.45,35.75) 59.05,35.75 cw(c60.2,35.75) 60.2,36.9 64.1,36.9 73.31,36.9 cw(c73.31,34.36) 75.85,34.36 75.85,34.2 75.85,14.7 75.85,0 25.6,0 cw(c25.6,0.3) 25.3,0.3 25.3,25.1
GNDIN on Top Layer "Top Layer-No Net 1" (solid, remove dead copper, pour order 0): 23.622,39.116 16.764,39.116 cw(c16.764,39.497) 16.383,39.497 16.383,39.751 16.383,44.958 cw(c16.764,44.958) 16.764,45.339 19.304,45.339 cw(c19.304,45.085) 19.558,45.085 19.558,44.831 ccw(c19.939,44.831) 19.939,44.45 22.098,44.45 cw(c22.098,44.196) 22.352,44.196 22.352,41.402 ccw(c22.733,41.402) 22.733,41.021 27.559,41.021 cw(c27.559,40.386) 28.194,40.386 28.194,38.1 cw(c27.686,38.1) 27.686,37.592 24.892,37.592 cw(c24.892,37.973) 24.511,37.973 24.511,38.735 ccw(c24.13,38.735) 24.13,39.116 23.241,39.116
GND on Top Layer "Top Layer-No Net 1" (solid, remove dead copper, pour order 28): 143.786,68.463 143.95,68.627 143.95,103.4 ccw(c143.4,103.4) 143.4,103.95 141,103.95 ccw(c141.075,103.225) 140.35,103.15 140.35,101.75 140.35,68.25 143.7,68.25 ccw(c143.7,68.5) 143.95,68.5 143.95,70.65 ccw(c143.9,70.65) 143.9,70.7
GNDIN on Top Layer "Top Layer-No Net 1" (solid, remove dead copper, pour order 30): -0.1,101.65 -0.1,103.6 cw(c0.5,103.6) 0.5,104.2 3.05,104.2 cw(c3.05,103.6) 3.65,103.6 3.65,82.5 cw(c2.55,82.4) 2.65,81.3 0.65,81.3 cw(c0.775,82.075) 0,82.2 0,103.1
GNDIN on Top Layer "Top Layer-No Net 1" (solid, remove dead copper, pour order 32): -0.1,86.65 cw(c0.95,86.65) 0.95,87.7 3.6,87.7 cw(c3.6,87.3) 4,87.3 4,85.75 4,81.4 cw(c2.5,81.4) 2.5,79.9 2.5,69.088 2.5,59.016 ccw(c3.216,59.016) 3.216,58.3 18,58.3 cw(c18,57.55) 18.75,57.55 18.75,46.65 ccw(c20.35,46.65) 20.35,45.05 22.2,45.05 cw(c22.2,44.4) 22.85,44.4 22.85,42.6 ccw(c23.4,42.6) 23.4,42.05 27.751,42.05 cw(c27.751,40.751) 29.05,40.751 29.05,34.2 ccw(c29.55,34.2) 29.55,33.7 30.25,33.7 cw(c30.25,32.85) 31.1,32.85 31.1,31.49 cw(c28.56,31.49) 28.56,28.95 27.79,28.95 ccw(c27.79,26.41) 25.25,26.41 25.25,8.563 cw(c23.519,8.981) 23.1,7.25 9.55,7.25 cw(c9.55,8.35) 8.45,8.35 8.45,9.05 ccw(c7.75,8.7) 7.4,9.4 6.1,9.4 1.8,9.4 cw(c1.625,11.025) 0,10.85 0,86.6 ccw(c-0.1,86.6) -0.1,86.7
GND on Bottom Layer "Top Layer-No Net 1" (solid, remove dead copper, pour order 26): 10.55,58.25 6.1,58.25 cw(c6.1,59.5) 4.85,59.5 4.85,69.81 cw(c7.39,69.81) 7.39,72.35 8.95,72.35 141.8,72.35 cw(c141.8,70.1) 144.05,70.1 144.05,9.65 cw(c142.85,9.65) 142.85,8.45 137.127,8.45 ccw(c137.127,7.127) 135.804,7.126 135.804,1.504 cw(c134.6,1.504) 134.6,0.3 78.55,0.3 cw(c78.55,1.75) 77.1,1.75 77.1,33.1 ccw(c76.15,33.1) 76.15,34.05 67.15,34.05 cw(c67.15,34.75) 66.45,34.75 66.45,35.6 ccw(c66,35.6) 66,36.05 57.75,36.05 ccw(c57.825,35.075) 56.85,35 cw(c55.575,35.075) 55.5,33.8 54.3,33.8 48.6,33.8 cw(c48.6,35.2) 47.2,35.2 ccw(c45.75,35.2) 45.75,36.65 40.85,36.65 39.25,36.65 ccw(c39.25,34.85) 37.45,34.85 cw(c36.1,34.85) 36.1,33.5 32.25,33.5 32.05,33.5 cw(c32.05,34.85) 30.7,34.85 30.7,44.377 ccw(c29.848,44.094) 30.25,44.897 ccw(c30.215,44.812) 30.18,44.897 22.148,44.897 ccw(c21.223,44.524) 20.85,45.45 17.55,45.45 cw(c17.55,47.4) 15.6,47.4 15.6,49.35 ccw(c13.35,49.35) 13.35,51.6 7.85,51.6 cw(c7.85,52.05) 7.4,52.05 7.4,57.95 7.1,58.25
GNDISO on Bottom Layer "Top Layer-No Net 1" (solid, remove dead copper, pour order 12): 26.85,0 25.8,0 cw(c25.8,0.55) 25.25,0.55 25.25,27.4 cw(c26.85,27.4) 26.85,29 28.7,29 ccw(c28.7,31.35) 31.05,31.35 31.05,33.8 cw(c31.95,33.8) 31.95,34.7 38.35,34.7 ccw(c38.35,35.65) 39.3,35.65 cw(c40.35,35.65) 40.35,36.7 42.3,36.7 49.4,36.7 cw(c49.4,35.9) 50.2,35.9 50.45,35.7 58.65,35.7 ccw(c58.519,35.896) 58.75,35.85 58.75,35.75 cw(c59.9,35.75) 59.9,36.9 73.36,36.9 cw(c73.36,34.36) 75.9,34.36 75.9,34.3 75.9,14.55 75.9,9.65 75.9,0 26.8,0
GNDIN on Bottom Layer "Top Layer-No Net 1" (solid, remove dead copper, pour order 34): 0,85.6 0,86.85 cw(c0.85,86.85) 0.85,87.7 3.65,87.7 cw(c3.65,87.35) 4,87.35 4,81.4 cw(c2.5,81.35) 2.55,79.85 cw(c2.465,79.885) 2.5,79.8 2.5,59 ccw(c3.2,59) 3.2,58.3 3.7,58.3 17.9,58.3 cw(c17.9,57.5) 18.7,57.5 18.7,46.7 ccw(c20.4,46.7) 20.4,45 22.3,45 cw(c22.3,44.4) 22.9,44.4 22.9,42.85 ccw(c23.75,42.85) 23.75,42 27.75,42 cw(c27.75,40.65) 29.1,40.65 29.1,34.25 ccw(c29.7,34.25) 29.7,33.65 30.4,33.65 cw(c30.4,32.95) 31.1,32.95 31.1,31.4 cw(c28.7,31.4) 28.7,29 27.707,29 ccw(c27.707,26.543) 25.25,26.543 25.25,0.35 cw(c24.8,0.35) 24.8,-0.1 8.95,-0.1 cw(c8.95,0.4) 8.45,0.4 8.45,7.25 ccw(c7.7,7.25) 7.7,8 0.85,8 cw(c0.85,8.9) -0.05,8.9 -0.05,85.85 cw(c0,85.85) 0,85.9
GNDIN on Bottom Layer "Top Layer-No Net 1" (solid, remove dead copper, pour order 38): 0,84.7 3.525,84.7 ccw(c3.525,85.175) 4,85.175 4,103.45 ccw(c3.25,103.45) 3.25,104.2 0.5,104.2 ccw(c0.5,103.7) 0,103.7 0,85.35 ccw(c0.65,85.35) 0.65,84.7

## Keep-outs
Keep-Out Layer:
  lines w0.254: 0,1.27 ccw(c1.27,1.27) 1.27,0 142.68,0 ccw(c142.68,1.27) 143.95,1.27 143.95,110.48 143.95,110.75 ccw(c142.75,110.75) 142.75,111.95 1.27,111.95 ccw(c1.27,110.68) 0,110.68 0,110.48 0,106.7 0,1.27

## Other copper
Top Layer:
  rectangle net GNDIN: 6.95,54.1 8.6,55.75
  rectangle net GNDIN: 19.9,3.35 24.892,7.847
  rectangle net GNDIN: 16.4,44.2 19.4,45.1
  rectangle net GNDIN: 0.9,54.95 10.1,57.15
  rectangle net GNDIN: 2.25,17.75 7.55,21.4
  rectangle net GNDIN: 1.1,35.2 7.25,47.1
  rectangle net GNDIN: 0.95,44.55 7.1,47.1
  rectangle net GNDIN: 16.383,40.6 22.35,44.55
  rectangle net GNDIN: 16.383,38.989 24.511,41.021
  rectangle net GNDIN: 24.511,37.592 28.194,40.65
  rectangle net PUTIN_12V: 9.144,15.875 16.891,23.368
  rectangle net PUTIN_12V: 13.081,11.938 19.939,16.256
  rectangle net GND: 33.65,45.5 35.5,49.15
  rectangle net VCCIN5V: 12.4,36.35 22.85,37.9
  rectangle net GNDIN: 21.7,3.6 24.3,19.95
Bottom Layer:
  rectangle net GNDIN: 0.95,17.55 4.75,21.65
  rectangle net GNDIN: 20.35,32.15 30.5,44.5
  rectangle net GNDIN: 5.5,41.4 22.15,44.5
  rectangle net GNDIN: 5.45,37.5 7.25,44.5
  rectangle net GND: 33.7,45.5 35.45,49.15
  rectangle net GNDIN: 21.7,3.7 24.2,19.8

## Silkscreen, mask and mechanical layers (free items; w line width, h text height)
Top Overlay:
  lines w1: 10.25,111.06 70.75,111.06 ; 75,111.16 135.5,111.16
  text "-" at 48.35,97.45 h0.7
  text "-" at 38.3,97.4 h0.7
  text "-" at 28.2,97.35 h0.7
  text "+" at 22,97.3 h0.7
  text "+" at 32.05,97.25 h0.7
  text "+" at 62.4,97.25 h0.7
  text "-" at 17.3,97.2 h0.7
  text "+" at 42.35,97.2 h0.7
  text "+" at 52.3,97.2 h0.7
  text "+" at 11.1,97.1 h0.7
  text "-" at 68.55,97.1 h0.7
  text "-" at 58.45,97.05 h0.7
  text "SDHXGK" at 69.05,62.6 h1.5
  text "Traffic_Light_MAIN_V1.0(DY)" at 68.9,59.55 h1.5
  text "20170806_1839" at 68.7,56.95 h1.5
  text "GND" at 65.95,45.05 h0.7
  text "3-R" at 66.05,42.4 h0.7
  text "3-T" at 66.05,40.25 h0.7
  text "B" at 49.65,8.1 h0.7
  text "B" at 68.75,8.05 h0.7
  text "A" at 36.3,8 h0.7
  text "A" at 56.2,7.95 h0.7
  text "+VIN" at 10.85,5.9 h1
  text "GND-IN" at 25.85,5.65 h1

## Text inside footprints (layer, text, board x,y; h text height)
SWD1: Top Overlay "DIO" at 133.099,49.403 h2; Top Overlay "CLK" at 133.048,51.816 h2; Top Overlay "GND" at 133.099,46.914 h2; Top Overlay "VCC" at 133.048,44.221 h2; Top Overlay "RST" at 133.099,41.631 h2